# KiCad board rabbit_mask_capacitors.kicad_pcb (continued)
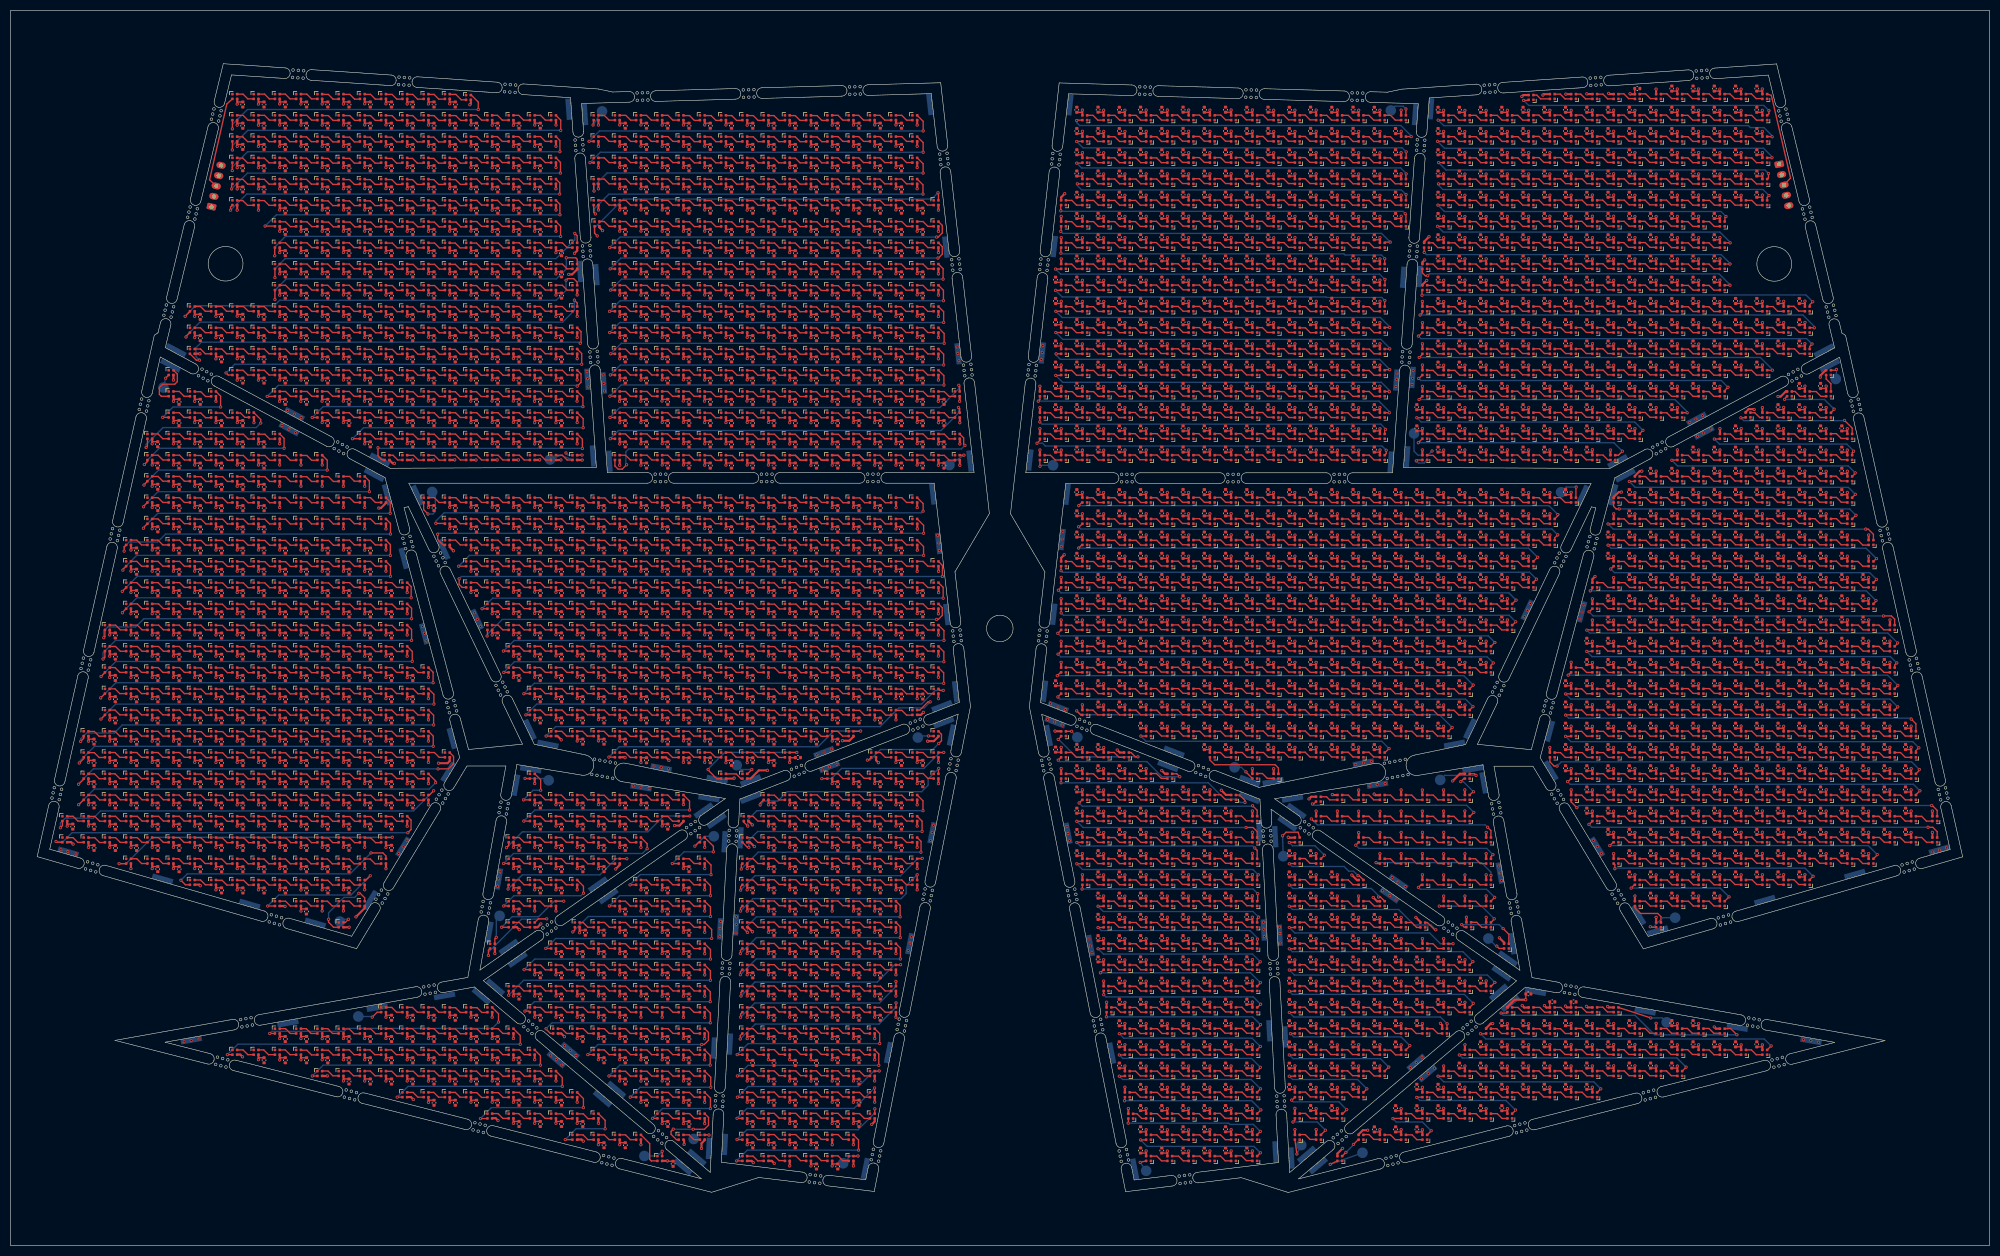
[diagram p0: board, top side]
## Routing (per net, layer and track width the routed paths; a pad name or vN(x,y) marks a point on that pad's centre or on a via; arc(x,y) is an arc through that point) (continued)
Net-(D2478-DIN): length 3.5
  Top w0.25: 225.84,95.92 224.74,95.92 223.84,96.82 222.74,96.82
Net-(D2479-DIN): length 3.5
  Top w0.25: 226.64,96.82 227.74,96.82 228.64,95.92 229.74,95.92
Net-(D2480-DIN): length 3.5
  Top w0.25: 233.69,95.97 232.59,95.97 231.69,96.87 230.59,96.87
Net-(D2481-DIN): length 3.5
  Top w0.25: 237.79,95.97 236.69,95.97 235.79,96.87 234.69,96.87
Net-(D2482-DIN): length 3.5
  Top w0.25: 238.69,96.87 239.79,96.87 240.69,95.97 241.79,95.97
Net-(D2483-DIN): length 3.5
  Top w0.25: 245.69,95.97 244.59,95.97 243.69,96.87 242.59,96.87
Net-(D2484-DIN): length 3.5
  Top w0.25: 246.64,96.87 247.74,96.87 248.64,95.97 249.74,95.97
Net-(D2485-DIN): length 3.5
  Top w0.25: 250.54,96.87 251.64,96.87 252.54,95.97 253.64,95.97
Net-(D2486-DIN): length 3.5
  Top w0.25: 257.69,95.97 256.59,95.97 255.69,96.87 254.59,96.87
Net-(D2487-DIN): length 3.5
  Top w0.25: 261.74,95.92 260.64,95.92 259.74,96.82 258.64,96.82
Net-(D2488-DIN): length 3.5
  Top w0.25: 262.69,96.82 263.79,96.82 264.69,95.92 265.79,95.92
Net-(D2489-DIN): length 3.5
  Top w0.25: 269.69,95.92 268.59,95.92 267.69,96.82 266.59,96.82
Net-(D2491-DIN): length 3.5
  Top w0.25: 297.74,95.9 296.64,95.9 295.74,96.8 294.64,96.8
Net-(D2491-DOUT): length 69.6
  Top w0.25: D2491.3 293.7,95.86 v1(292.7,95.86) ; v1(359.2,93.71) 358.65,93.16 D2538.1
  Bottom w0.25: v1(359.2,93.71) 358.05,94.86 293.7,94.86 v1(292.7,95.86)
Net-(D2492-DIN): length 3.5
  Top w0.25: 298.74,96.8 299.84,96.8 300.74,95.9 301.84,95.9
Net-(D2493-DIN): length 3.5
  Top w0.25: 302.74,96.8 303.84,96.8 304.74,95.9 305.84,95.9
Net-(D2494-DIN): length 3.5
  Top w0.25: 309.74,95.9 308.64,95.9 307.74,96.8 306.64,96.8
Net-(D2495-DIN): length 3.5
  Top w0.25: 313.69,95.95 312.59,95.95 311.69,96.85 310.59,96.85
Net-(D2496-DIN): length 3.5
  Top w0.25: 314.69,96.85 315.79,96.85 316.69,95.95 317.79,95.95
Net-(D2497-DIN): length 3.5
  Top w0.25: 318.69,96.85 319.79,96.85 320.69,95.95 321.79,95.95
Net-(D2498-DIN): length 3.5
  Top w0.25: 322.59,96.85 323.69,96.85 324.59,95.95 325.69,95.95
Net-(D2499-DIN): length 3.5
  Top w0.25: 329.74,95.95 328.64,95.95 327.74,96.85 326.64,96.85
Net-(D2500-DIN): length 3.5
  Top w0.25: 333.64,95.95 332.54,95.95 331.64,96.85 330.54,96.85
Net-(D2501-DIN): length 3.5
  Top w0.25: 334.59,96.85 335.69,96.85 336.59,95.95 337.69,95.95
Net-(D2502-DIN): length 3.5
  Top w0.25: 338.64,96.8 339.74,96.8 340.64,95.9 341.74,95.9
Net-(D2503-DIN): length 3.5
  Top w0.25: 345.79,95.9 344.69,95.9 343.79,96.8 342.69,96.8
Net-(D2504-DIN): length 3.5
  Top w0.25: 346.59,96.8 347.69,96.8 348.59,95.9 349.69,95.9
Net-(D2505-DIN): length 3.5
  Top w0.25: 350.64,96.8 351.74,96.8 352.64,95.9 353.74,95.9
Net-(D2506-DIN): length 3.5
  Top w0.25: 357.74,95.91 356.64,95.91 355.74,96.81 354.64,96.81
Net-(D2508-DIN): length 3.5
  Top w0.25: 201.73,91.92 200.63,91.92 199.73,92.82 198.63,92.82
Net-(D2508-DOUT): length 26.6
  Top w0.25: v1(197.2,91.39) 197.72,91.91 D2508.3 ; D2544.1 219.52,88.81 v1(220.07,88.26)
  Bottom w0.25: v1(197.2,91.39) 197.47,91.11 213.88,91.11 216.72,88.26 v1(220.07,88.26)
Net-(D2509-DIN): length 3.5
  Top w0.25: 202.62,92.83 203.72,92.83 204.62,91.93 205.72,91.93
Net-(D2510-DIN): length 3.3
  Top w0.25: D2511.3 208.66,91.91 207.75,92.82 206.65,92.82
Net-(D2512-DIN): length 3.5
  Top w0.25: 229.74,91.92 228.64,91.92 227.74,92.82 226.64,92.82
Net-(D2512-DOUT): length 15.1
  Top w0.25: D2546.1 238.65,89.9 238.04,90.51 226.65,90.51 225.75,91.41 D2512.3
Net-(D2513-DIN): length 3.5
  Top w0.25: 233.84,91.92 232.74,91.92 231.84,92.82 230.74,92.82
Net-(D2514-DIN): length 3.5
  Top w0.25: 237.84,91.92 236.74,91.92 235.84,92.82 234.74,92.82
Net-(D2515-DIN): length 3.5
  Top w0.25: 241.74,91.92 240.64,91.92 239.74,92.82 238.64,92.82
Net-(D2516-DIN): length 3.5
  Top w0.25: 242.59,92.87 243.69,92.87 244.59,91.97 245.69,91.97
Net-(D2517-DIN): length 3.5
  Top w0.25: 246.69,92.87 247.79,92.87 248.69,91.97 249.79,91.97
Net-(D2518-DIN): length 3.5
  Top w0.25: 253.79,91.97 252.69,91.97 251.79,92.87 250.69,92.87
Net-(D2519-DIN): length 3.5
  Top w0.25: 254.59,92.87 255.69,92.87 256.59,91.97 257.69,91.97
Net-(D2521-DIN): length 3.5
  Top w0.25: 290.65,92.8 291.75,92.8 292.65,91.9 293.75,91.9
Net-(D2521-DOUT): length 72.7
  Top w0.25: D2521.3 289.75,91.06 290.55,90.26 v1(291.1,90.26) ; v1(359.3,89.61) 359.3,89.46 D2564.1
  Bottom w0.25: v1(359.3,89.61) 357.85,91.06 291.9,91.06 v1(291.1,90.26)
Net-(D2522-DIN): length 3.5
  Top w0.25: 294.75,92.8 295.85,92.8 296.75,91.9 297.85,91.9
Net-(D2523-DIN): length 3.5
  Top w0.25: 301.85,91.9 300.75,91.9 299.85,92.8 298.75,92.8
Net-(D2524-DIN): length 3.5
  Top w0.25: 302.65,92.8 303.75,92.8 304.65,91.9 305.75,91.9
Net-(D2525-DIN): length 3.5
  Top w0.25: 309.7,91.95 308.6,91.95 307.7,92.85 306.6,92.85
Net-(D2526-DIN): length 3.5
  Top w0.25: 313.8,91.95 312.7,91.95 311.8,92.85 310.7,92.85
Net-(D2527-DIN): length 3.5
  Top w0.25: 317.8,91.95 316.7,91.95 315.8,92.85 314.7,92.85
Net-(D2528-DIN): length 3.5
  Top w0.25: 321.7,91.95 320.6,91.95 319.7,92.85 318.6,92.85
Net-(D2529-DIN): length 3.5
  Top w0.25: 325.75,91.95 324.65,91.95 323.75,92.85 322.65,92.85
Net-(D2530-DIN): length 3.5
  Top w0.25: 326.55,92.85 327.65,92.85 328.55,91.95 329.65,91.95
Net-(D2531-DIN): length 3.5
  Top w0.25: 330.6,92.85 331.7,92.85 332.6,91.95 333.7,91.95
Net-(D2532-DIN): length 3.5
  Top w0.25: 337.75,91.9 336.65,91.9 335.75,92.8 334.65,92.8
Net-(D2533-DIN): length 3.5
  Top w0.25: 341.8,91.9 340.7,91.9 339.8,92.8 338.7,92.8
Net-(D2534-DIN): length 3.5
  Top w0.25: 342.6,92.8 343.7,92.8 344.6,91.9 345.7,91.9
Net-(D2535-DIN): length 3.5
  Top w0.25: 346.65,92.8 347.75,92.8 348.65,91.9 349.75,91.9
Net-(D2536-DIN): length 3.5
  Top w0.25: 350.64,92.81 351.74,92.81 352.64,91.91 353.74,91.91
Net-(D2537-DIN): length 3.5
  Top w0.25: D2538.3 356.65,91.91 355.75,92.81 D2537.1
Net-(D2539-DIN): length 3.5
  Top w0.25: 201.74,87.91 200.64,87.91 199.74,88.81 198.64,88.81
Net-(D2539-DOUT): length 39.5
  Top w0.25: D2572.1 231.35,84.81 232.35,83.81 v1(232.35,83.41) ; v1(197.72,87.11) 197.75,87.14 D2539.3
  Bottom w0.25: v1(232.35,83.41) 231.47,83.41 230.88,84.01 228.55,84.01 225.45,87.11 v1(197.72,87.11)
Net-(D2540-DIN): length 3.5
  Top w0.25: 202.74,88.81 203.84,88.81 204.74,87.91 205.84,87.91
Net-(D2541-DIN): length 3.5
  Top w0.25: 206.74,88.81 207.84,88.81 208.74,87.91 209.84,87.91
Net-(D2542-DIN): length 3.5
  Top w0.25: 210.64,88.81 211.74,88.81 212.64,87.91 213.74,87.91
Net-(D2543-DIN): length 3.5
  Top w0.25: 217.69,87.96 216.59,87.96 215.69,88.86 214.59,88.86
Net-(D2545-DIN): length 3.5
  Top w0.25: 234.54,88.86 235.64,88.86 236.54,87.96 237.64,87.96
Net-(D2547-DOUT): length 5.2
  Top w0.25: D2580.1 275.25,85.41 v1(275.38,85.41) ; v1(272.97,87.34) 273.55,87.91 D2547.3
  Bottom w0.25: v1(275.38,85.41) 273.45,87.34 v1(272.97,87.34)
Net-(D2548-DIN): length 3.5
  Top w0.25: 294.64,88.82 295.74,88.82 296.64,87.92 297.74,87.92
Net-(D2548-DOUT): length 69.1
  Top w0.25: v1(293.07,87.34) 293.18,87.34 D2548.3 ; v1(359.4,85.61) 358.65,84.86 D2597.1
  Bottom w0.25: v1(293.07,87.34) 293.57,86.84 358.18,86.84 v1(359.4,85.61)
Net-(D2549-DIN): length 3.5
  Top w0.25: 301.84,87.92 300.74,87.92 299.84,88.82 298.74,88.82
Net-(D2550-DIN): length 3.5
  Top w0.25: 305.84,87.92 304.74,87.92 303.84,88.82 302.74,88.82
Net-(D2551-DIN): length 3.5
  Top w0.25: 309.74,87.92 308.64,87.92 307.74,88.82 306.64,88.82
Net-(D2552-DIN): length 3.5
  Top w0.25: 313.69,87.97 312.59,87.97 311.69,88.87 310.59,88.87
Net-(D2553-DIN): length 3.5
  Top w0.25: 314.69,88.87 315.79,88.87 316.69,87.97 317.79,87.97
Net-(D2554-DIN): length 3.5
  Top w0.25: 321.79,87.97 320.69,87.97 319.79,88.87 318.69,88.87
Net-(D2555-DIN): length 3.5
  Top w0.25: 322.59,88.87 323.69,88.87 324.59,87.97 325.69,87.97
Net-(D2556-DIN): length 3.5
  Top w0.25: 326.64,88.87 327.74,88.87 328.64,87.97 329.74,87.97
Net-(D2557-DIN): length 3.5
  Top w0.25: 333.64,87.97 332.54,87.97 331.64,88.87 330.54,88.87
Net-(D2558-DIN): length 3.5
  Top w0.25: 334.59,88.87 335.69,88.87 336.59,87.97 337.69,87.97
Net-(D2559-DIN): length 3.5
  Top w0.25: 338.64,88.82 339.74,88.82 340.64,87.92 341.74,87.92
Net-(D2560-DIN): length 3.5
  Top w0.25: 345.79,87.92 344.69,87.92 343.79,88.82 342.69,88.82
Net-(D2561-DIN): length 3.5
  Top w0.25: 346.59,88.82 347.69,88.82 348.59,87.92 349.69,87.92
Net-(D2562-DIN): length 3.5
  Top w0.25: 353.74,87.92 352.64,87.92 351.74,88.82 350.64,88.82
Net-(D2563-DIN): length 3.5
  Top w0.25: 354.64,88.8 355.74,88.8 356.64,87.9 357.74,87.9
Net-(D2565-DIN): length 3.5
  Top w0.25: 205.74,83.9 204.64,83.9 203.74,84.8 202.64,84.8
Net-(D2565-DOUT): length 36.2
  Top w0.25: D2565.3 201.72,83.91 v1(201.12,83.31) ; v1(233.77,82.79) 233.8,82.79 234.65,81.94 D2606.1
  Bottom w0.25: v1(201.12,83.31) 201.72,82.71 233.7,82.71 v1(233.77,82.79)
Net-(D2566-DIN): length 3.5
  Top w0.25: 206.74,84.8 207.84,84.8 208.74,83.9 209.84,83.9
Net-(D2567-DIN): length 3.5
  Top w0.25: 210.74,84.8 211.84,84.8 212.74,83.9 213.84,83.9
Net-(D2568-DIN): length 3.5
  Top w0.25: 217.74,83.9 216.64,83.9 215.74,84.8 214.64,84.8
Net-(D2569-DIN): length 3.5
  Top w0.25: 218.59,84.85 219.69,84.85 220.59,83.95 221.69,83.95
Net-(D2570-DIN): length 3.5
  Top w0.25: 225.79,83.95 224.69,83.95 223.79,84.85 222.69,84.85
Net-(D2571-DIN): length 3.5
  Top w0.25: 226.69,84.85 227.79,84.85 228.69,83.95 229.79,83.95
Net-(D2573-DIN): length 3.4
  Top w0.25: 249.74,83.9 248.29,83.9 247.71,84.48 246.62,84.48
Net-(D2573-DOUT): length 33
  Top w0.25: v1(245.05,83.14) 245.27,83.14 245.72,83.59 ; v1(275.43,81.54) 274.7,80.81 D2614.1
  Bottom w0.25: v1(245.05,83.14) 245.3,82.89 274.07,82.89 v1(275.43,81.54)
Net-(D2574-DIN): length 3.5
  Top w0.25: 250.69,84.8 251.79,84.8 252.69,83.9 253.79,83.9
Net-(D2575-DIN): length 3.5
  Top w0.25: 254.59,84.8 255.69,84.8 256.59,83.9 257.69,83.9
Net-(D2576-DIN): length 3.5
  Top w0.25: 261.74,83.9 260.64,83.9 259.74,84.8 258.64,84.8
Net-(D2577-DIN): length 3.5
  Top w0.25: 265.73,83.9 264.63,83.9 263.73,84.8 262.63,84.8
Net-(D2578-DIN): length 3.5
  Top w0.25: 269.78,83.9 268.68,83.9 267.78,84.8 266.68,84.8
Net-(D2579-DIN): length 3.5
  Top w0.25: 270.58,84.8 271.68,84.8 272.58,83.9 273.68,83.9
Net-(D2581-DIN): length 3.5
  Top w0.25: 294.64,84.8 295.74,84.8 296.64,83.9 297.74,83.9
Net-(D2581-DOUT): length 71.4
  Top w0.25: D2581.3 293.75,83.51 v1(294.82,82.44) ; v1(361.62,82.84) 361.74,82.84 362.65,81.92 D2631.1
  Bottom w0.25: v1(294.82,82.44) 295.22,82.84 v1(361.62,82.84)
Net-(D2582-DIN): length 3.5
  Top w0.25: 301.84,83.9 300.74,83.9 299.84,84.8 298.74,84.8
Net-(D2583-DIN): length 3.5
  Top w0.25: 302.74,84.8 303.84,84.8 304.74,83.9 305.84,83.9
Net-(D2584-DIN): length 3.5
  Top w0.25: 309.74,83.9 308.64,83.9 307.74,84.8 306.64,84.8
Net-(D2585-DIN): length 3.5
  Top w0.25: 313.69,83.95 312.59,83.95 311.69,84.85 310.59,84.85
Net-(D2586-DIN): length 3.5
  Top w0.25: 314.69,84.85 315.79,84.85 316.69,83.95 317.79,83.95
Net-(D2587-DIN): length 3.5
  Top w0.25: 318.69,84.85 319.79,84.85 320.69,83.95 321.79,83.95
Net-(D2588-DIN): length 3.5
  Top w0.25: 322.59,84.85 323.69,84.85 324.59,83.95 325.69,83.95
Net-(D2589-DIN): length 3.5
  Top w0.25: 329.74,83.95 328.64,83.95 327.74,84.85 326.64,84.85
Net-(D2590-DIN): length 3.5
  Top w0.25: 333.64,83.95 332.54,83.95 331.64,84.85 330.54,84.85
Net-(D2591-DIN): length 3.5
  Top w0.25: 334.59,84.85 335.69,84.85 336.59,83.95 337.69,83.95
Net-(D2592-DIN): length 3.5
  Top w0.25: 338.64,84.8 339.74,84.8 340.64,83.9 341.74,83.9
Net-(D2593-DIN): length 3.5
  Top w0.25: 342.69,84.8 343.79,84.8 344.69,83.9 345.79,83.9
Net-(D2594-DIN): length 3.5
  Top w0.25: 346.59,84.8 347.69,84.8 348.59,83.9 349.69,83.9
Net-(D2595-DIN): length 3.5
  Top w0.25: 350.64,84.8 351.74,84.8 352.64,83.9 353.74,83.9
Net-(D2596-DIN): length 3.5
  Top w0.25: 354.65,84.8 355.75,84.8 356.65,83.9 357.75,83.9
Net-(D2598-DIN): length 3.5
  Top w0.25: 202.64,80.81 203.74,80.81 204.64,79.91 205.74,79.91
Net-(D2598-DOUT): length 36.9
  Top w0.25: D2640.1 234.65,77.93 233.88,78.7 v1(232.55,78.7) ; v1(200.7,79.86) 201.7,79.86 D2598.3
  Bottom w0.25: v1(232.55,78.7) 201.86,78.7 v1(200.7,79.86)
Net-(D2599-DIN): length 3.5
  Top w0.25: 206.74,80.81 207.84,80.81 208.74,79.91 209.84,79.91
Net-(D2600-DIN): length 3.5
  Top w0.25: 213.84,79.91 212.74,79.91 211.84,80.81 210.74,80.81
Net-(D2601-DIN): length 3.5
  Top w0.25: 217.74,79.91 216.64,79.91 215.74,80.81 214.64,80.81
Net-(D2602-DIN): length 3.5
  Top w0.25: 221.69,79.96 220.59,79.96 219.69,80.86 218.59,80.86
Net-(D2603-DIN): length 3.5
  Top w0.25: 222.69,80.86 223.79,80.86 224.69,79.96 225.79,79.96
Net-(D2604-DIN): length 3.5
  Top w0.25: 229.79,79.96 228.69,79.96 227.79,80.86 226.69,80.86
Net-(D2605-DIN): length 3.5
  Top w0.25: 233.69,79.96 232.59,79.96 231.69,80.86 230.59,80.86
Net-(D2607-DIN): length 3.5
  Top w0.25: 246.64,80.81 247.74,80.81 248.64,79.91 249.74,79.91
Net-(D2607-DOUT): length 37.1
  Top w0.25: v1(278.02,78.74) 278.65,78.11 D2648.1 ; D2607.3 245.25,79.91 v1(244.85,80.31)
  Bottom w0.25: v1(244.85,80.31) 245.97,79.19 277.57,79.19 v1(278.02,78.74)
Net-(D2608-DIN): length 3.5
  Top w0.25: 250.69,80.81 251.79,80.81 252.69,79.91 253.79,79.91
Net-(D2609-DIN): length 3.5
  Top w0.25: 257.69,79.91 256.59,79.91 255.69,80.81 254.59,80.81
Net-(D2610-DIN): length 3.5
  Top w0.25: 261.74,79.91 260.64,79.91 259.74,80.81 258.64,80.81
Net-(D2611-DIN): length 3.5
  Top w0.25: 265.74,79.9 264.64,79.9 263.74,80.8 262.64,80.8
Net-(D2612-DIN): length 3.5
  Top w0.25: 269.79,79.9 268.69,79.9 267.79,80.8 266.69,80.8
Net-(D2613-DIN): length 3.5
  Top w0.25: 270.59,80.8 271.69,80.8 272.59,79.9 273.69,79.9
Net-(D2615-DIN): length 3.5
  Top w0.25: 298.64,80.81 299.74,80.81 300.64,79.91 301.74,79.91
Net-(D2615-DOUT): length 68.1
  Top w0.25: D2664.1 362.65,77.91 361.83,78.74 v1(360.93,78.74) ; D2615.3 297.12,79.29 v1(297.1,79.29)
  Bottom w0.25: v1(297.1,79.29) 297.65,78.74 v1(360.93,78.74)
Net-(D2616-DIN): length 3.5
  Top w0.25: 302.74,80.81 303.84,80.81 304.74,79.91 305.84,79.91
Net-(D2617-DIN): length 3.5
  Top w0.25: 306.74,80.81 307.84,80.81 308.74,79.91 309.84,79.91
Net-(D2618-DIN): length 3.5
  Top w0.25: 313.74,79.91 312.64,79.91 311.74,80.81 310.64,80.81
Net-(D2619-DIN): length 3.5
  Top w0.25: 314.59,80.86 315.69,80.86 316.59,79.96 317.69,79.96
Net-(D2620-DIN): length 3.5
  Top w0.25: 321.79,79.96 320.69,79.96 319.79,80.86 318.69,80.86
Net-(D2621-DIN): length 3.5
  Top w0.25: 322.69,80.86 323.79,80.86 324.69,79.96 325.79,79.96
Net-(D2622-DIN): length 3.5
  Top w0.25: 329.69,79.96 328.59,79.96 327.69,80.86 326.59,80.86
Net-(D2623-DIN): length 3.5
  Top w0.25: 333.74,79.96 332.64,79.96 331.74,80.86 330.64,80.86
Net-(D2624-DIN): length 3.5
  Top w0.25: 334.54,80.86 335.64,80.86 336.54,79.96 337.64,79.96
Net-(D2625-DIN): length 3.5
  Top w0.25: 341.69,79.96 340.59,79.96 339.69,80.86 338.59,80.86
Net-(D2626-DIN): length 3.5
  Top w0.25: 345.74,79.91 344.64,79.91 343.74,80.81 342.64,80.81
Net-(D2627-DIN): length 3.5
  Top w0.25: 346.69,80.81 347.79,80.81 348.69,79.91 349.79,79.91
Net-(D2628-DIN): length 3.5
  Top w0.25: 350.59,80.81 351.69,80.81 352.59,79.91 353.69,79.91
Net-(D2629-DIN): length 3.5
  Top w0.25: 354.64,80.81 355.74,80.81 356.64,79.91 357.74,79.91
Net-(D2630-DIN): length 3.5
  Top w0.25: 361.73,79.9 360.63,79.9 359.73,80.8 358.63,80.8
Net-(D2632-DIN): length 3.5
  Top w0.25: 205.74,75.9 204.64,75.9 203.74,76.8 202.64,76.8
Net-(D2632-DOUT): length 37.2
  Top w0.25: D2673.1 234.65,74.39 v1(234.2,74.84) ; D2632.3 200.75,75.91 v1(200.7,75.86)
  Bottom w0.25: v1(234.2,74.84) 233.82,75.21 201.35,75.21 v1(200.7,75.86)
Net-(D2633-DIN): length 3.5
  Top w0.25: 206.74,76.8 207.84,76.8 208.74,75.9 209.84,75.9
Net-(D2634-DIN): length 3.5
  Top w0.25: 213.84,75.9 212.74,75.9 211.84,76.8 210.74,76.8
Net-(D2635-DIN): length 3.5
  Top w0.25: 217.74,75.9 216.64,75.9 215.74,76.8 214.64,76.8
Net-(D2636-DIN): length 3.5
  Top w0.25: 221.69,75.95 220.59,75.95 219.69,76.85 218.59,76.85
Net-(D2637-DIN): length 3.5
  Top w0.25: 222.69,76.85 223.79,76.85 224.69,75.95 225.79,75.95
Net-(D2638-DIN): length 3.5
  Top w0.25: 229.79,75.95 228.69,75.95 227.79,76.85 226.69,76.85
Net-(D2639-DIN): length 3.5
  Top w0.25: 233.69,75.95 232.59,75.95 231.69,76.85 230.59,76.85
Net-(D2641-DOUT): length 9.6
  Top w0.25: v1(240.7,75.86) 240.75,75.91 D2641.3 ; D2675.1 247.3,73.46 v1(247.3,73.49)
  Bottom w0.25: v1(247.3,73.49) 245.52,75.26 241.3,75.26 v1(240.7,75.86)
Net-(D2642-DIN): length 3.5
  Top w0.25: 257.69,75.9 256.59,75.9 255.69,76.8 254.59,76.8
Net-(D2642-DOUT): length 28.3
  Top w0.25: v1(279.02,73.59) 278.65,73.21 D2681.1 ; v1(253.2,75.36) D2642.3
  Bottom w0.25: v1(253.2,75.36) 253.8,74.76 277.85,74.76 v1(279.02,73.59)
Net-(D2643-DIN): length 3.5
  Top w0.25: 261.74,75.9 260.64,75.9 259.74,76.8 258.64,76.8
Net-(D2644-DIN): length 3.5
  Top w0.25: 265.74,75.89 264.64,75.89 263.74,76.79 262.64,76.79
Net-(D2645-DIN): length 3.5
  Top w0.25: 269.79,75.89 268.69,75.89 267.79,76.79 266.69,76.79
Net-(D2646-DIN): length 3.5
  Top w0.25: 273.69,75.89 272.59,75.89 271.69,76.79 270.59,76.79
Net-(D2647-DIN): length 3.5
  Top w0.25: 277.74,75.89 276.64,75.89 275.74,76.79 274.64,76.79
Net-(D2649-DIN): length 3.5
  Top w0.25: 305.74,75.92 304.64,75.92 303.74,76.82 302.64,76.82
Net-(D2649-DOUT): length 53.1
  Top w0.25: v1(351.38,73.59) 351.38,73.54 D2694.1 ; D2649.3 301.65,75.91 v1(301.02,75.29)
  Bottom w0.25: v1(301.02,75.29) 349.68,75.29 v1(351.38,73.59)
Net-(D2650-DIN): length 3.5
  Top w0.25: 309.84,75.92 308.74,75.92 307.84,76.82 306.74,76.82
Net-(D2651-DIN): length 3.5
  Top w0.25: 310.74,76.82 311.84,76.82 312.74,75.92 313.84,75.92
Net-(D2652-DIN): length 3.5
  Top w0.25: 314.64,76.82 315.74,76.82 316.64,75.92 317.74,75.92
Net-(D2653-DIN): length 3.5
  Top w0.25: 321.69,75.97 320.59,75.97 319.69,76.87 318.59,76.87
Net-(D2654-DIN): length 3.5
  Top w0.25: 325.79,75.97 324.69,75.97 323.79,76.87 322.69,76.87
Net-(D2655-DIN): length 3.5
  Top w0.25: 329.79,75.97 328.69,75.97 327.79,76.87 326.69,76.87
Net-(D2656-DIN): length 3.5
  Top w0.25: 333.69,75.97 332.59,75.97 331.69,76.87 330.59,76.87
Net-(D2657-DIN): length 3.5
  Top w0.25: 334.64,76.87 335.74,76.87 336.64,75.97 337.74,75.97
Net-(D2658-DIN): length 3.5
  Top w0.25: 338.54,76.87 339.64,76.87 340.54,75.97 341.64,75.97
Net-(D2659-DIN): length 3.5
  Top w0.25: 345.69,75.97 344.59,75.97 343.69,76.87 342.59,76.87
Net-(D2660-DIN): length 3.5
  Top w0.25: 346.64,76.82 347.74,76.82 348.64,75.92 349.74,75.92
Net-(D2661-DIN): length 3.5
  Top w0.25: 350.69,76.82 351.79,76.82 352.69,75.92 353.79,75.92
Net-(D2662-DIN): length 3.5
  Top w0.25: 357.69,75.92 356.59,75.92 355.69,76.82 354.59,76.82
Net-(D2663-DIN): length 3.5
  Top w0.25: 358.64,76.82 359.74,76.82 360.64,75.92 361.74,75.92
Net-(D2665-DIN): length 3.5
  Top w0.25: 205.74,71.9 204.64,71.9 203.74,72.8 202.64,72.8
Net-(D2665-DOUT): length 37.1
  Top w0.25: D2665.3 201.7,71.86 v1(200.7,71.86) ; D2703.1 234.65,69.59 v1(234.85,69.79)
  Bottom w0.25: v1(200.7,71.86) 201.77,70.79 233.85,70.79 v1(234.85,69.79)
Net-(D2666-DIN): length 3.5
  Top w0.25: 206.74,72.8 207.84,72.8 208.74,71.9 209.84,71.9
Net-(D2667-DIN): length 3.5
  Top w0.25: 210.74,72.8 211.84,72.8 212.74,71.9 213.84,71.9
Net-(D2668-DIN): length 3.5
  Top w0.25: 214.64,72.8 215.74,72.8 216.64,71.9 217.74,71.9
Net-(D2669-DIN): length 3.5
  Top w0.25: 221.69,71.95 220.59,71.95 219.69,72.85 218.59,72.85
Net-(D2670-DIN): length 3.5
  Top w0.25: 222.69,72.85 223.79,72.85 224.69,71.95 225.79,71.95
Net-(D2671-DIN): length 3.5
  Top w0.25: 229.79,71.95 228.69,71.95 227.79,72.85 226.69,72.85
Net-(D2672-DIN): length 3.5
  Top w0.25: 230.59,72.85 231.69,72.85 232.59,71.95 233.69,71.95
Net-(D2674-DIN): length 3.5
  Top w0.25: 245.69,71.95 244.59,71.95 243.69,72.85 242.59,72.85
Net-(D2674-DOUT): length 16.3
  Top w0.25: v1(253.62,69.64) 253.82,69.64 D2707.1 ; v1(240.7,71.86) 240.75,71.91 D2674.3
  Bottom w0.25: v1(253.62,69.64) 252.8,70.46 251.9,70.46 251,71.36 241.2,71.36 v1(240.7,71.86)
Net-(D2676-DIN): length 3.5
  Top w0.25: 261.74,71.9 260.64,71.9 259.74,72.8 258.64,72.8
Net-(D2676-DOUT): length 24.6
  Top w0.25: v1(278.65,69.66) D2711.1 ; v1(257.02,72.09) 257.2,71.91 D2676.3
  Bottom w0.25: v1(278.65,69.66) 278.65,70.29 276.85,72.09 v1(257.02,72.09)
Net-(D2677-DIN): length 3.5
  Top w0.25: 265.74,71.91 264.64,71.91 263.74,72.81 262.64,72.81
Net-(D2678-DIN): length 3.5
  Top w0.25: 266.69,72.81 267.79,72.81 268.69,71.91 269.79,71.91
Net-(D2679-DIN): length 3.5
  Top w0.25: 270.59,72.81 271.69,72.81 272.59,71.91 273.69,71.91
Net-(D2680-DIN): length 3.5
  Top w0.25: 274.64,72.81 275.74,72.81 276.64,71.91 277.74,71.91
Net-(D2682-DIN): length 3.5
  Top w0.25: 305.74,71.91 304.64,71.91 303.74,72.81 302.64,72.81
Net-(D2682-DOUT): length 40
  Top w0.25: D2682.3 301.97,71.69 v1(301.97,70.94) ; D2720.1 338.65,68.86 v1(339.3,69.51)
  Bottom w0.25: v1(301.97,70.94) 302.07,71.04 337.77,71.04 v1(339.3,69.51)
Net-(D2683-DIN): length 3.5
  Top w0.25: 309.84,71.91 308.74,71.91 307.84,72.81 306.74,72.81
Net-(D2684-DIN): length 3.5
  Top w0.25: 313.84,71.91 312.74,71.91 311.84,72.81 310.74,72.81
Net-(D2685-DIN): length 3.5
  Top w0.25: 314.64,72.81 315.74,72.81 316.64,71.91 317.74,71.91
Net-(D2686-DIN): length 3.5
  Top w0.25: 321.69,71.96 320.59,71.96 319.69,72.86 318.59,72.86
Net-(D2687-DIN): length 3.5
  Top w0.25: 325.79,71.96 324.69,71.96 323.79,72.86 322.69,72.86
Net-(D2688-DIN): length 3.5
  Top w0.25: 326.69,72.86 327.79,72.86 328.69,71.96 329.79,71.96
Net-(D2689-DIN): length 3.5
  Top w0.25: 333.69,71.96 332.59,71.96 331.69,72.86 330.59,72.86
Net-(D2690-DIN): length 3.5
  Top w0.25: 337.74,71.96 336.64,71.96 335.74,72.86 334.64,72.86
Net-(D2691-DIN): length 3.5
  Top w0.25: 338.54,72.86 339.64,72.86 340.54,71.96 341.64,71.96
Net-(D2692-DIN): length 3.5
  Top w0.25: 342.59,72.86 343.69,72.86 344.59,71.96 345.69,71.96
Net-(D2693-DIN): length 3.5
  Top w0.25: 349.74,71.91 348.64,71.91 347.74,72.81 346.64,72.81
Net-(D2695-DIN): length 3.5
  Top w0.25: 202.64,68.82 203.74,68.82 204.64,67.92 205.74,67.92
Net-(D2695-DOUT): length 35.7
  Top w0.25: D2695.3 201.75,67.16 v1(201.7,67.11) ; v1(234.75,66.24) 234.75,64.91 D2728.1
  Bottom w0.25: v1(234.75,66.24) 233.88,67.11 v1(201.7,67.11)
Net-(D2696-DIN): length 3.5
  Top w0.25: 206.74,68.82 207.84,68.82 208.74,67.92 209.84,67.92
Net-(D2697-DIN): length 3.5
  Top w0.25: 213.84,67.92 212.74,67.92 211.84,68.82 210.74,68.82
Net-(D2698-DIN): length 3.5
  Top w0.25: 214.64,68.82 215.74,68.82 216.64,67.92 217.74,67.92
Net-(D2699-DIN): length 3.5
  Top w0.25: 218.59,68.87 219.69,68.87 220.59,67.97 221.69,67.97
Net-(D2700-DIN): length 3.5
  Top w0.25: 222.69,68.87 223.79,68.87 224.69,67.97 225.79,67.97
Net-(D2701-DIN): length 3.5
  Top w0.25: 229.79,67.97 228.69,67.97 227.79,68.87 226.69,68.87
Net-(D2702-DIN): length 3.5
  Top w0.25: 233.69,67.97 232.59,67.97 231.69,68.87 230.59,68.87
Net-(D2704-DIN): length 3.5
  Top w0.25: 242.59,68.87 243.69,68.87 244.59,67.97 245.69,67.97
Net-(D2704-DOUT): length 20.4
  Top w0.25: v1(240.7,67.86) 241.7,67.86 D2704.3 ; D2733.1 257.85,65.61 v1(257.5,65.61)
  Bottom w0.25: v1(257.5,65.61) 257.5,65.86 256.15,67.21 241.35,67.21 v1(240.7,67.86)
Net-(D2705-DIN): length 3.5
  Top w0.25: 246.64,68.82 247.74,68.82 248.64,67.92 249.74,67.92
Net-(D2706-DIN): length 3.5
  Top w0.25: 253.79,67.92 252.69,67.92 251.79,68.82 250.69,68.82
Net-(D2708-DIN): length 3.5
  Top w0.25: 269.75,67.9 268.65,67.9 267.75,68.8 266.65,68.8
Net-(D2708-DOUT): length 17.1
  Top w0.25: D2708.3 265.5,67.91 v1(265,67.41) ; D2736.1 278.65,64.84 v1(279.35,65.54)
  Bottom w0.25: v1(279.35,65.54) 277.82,67.06 265.35,67.06 v1(265,67.41)
Net-(D2709-DIN): length 3.5
  Top w0.25: 270.7,68.8 271.8,68.8 272.7,67.9 273.8,67.9
Net-(D2710-DIN): length 3.5
  Top w0.25: 277.7,67.9 276.6,67.9 275.7,68.8 274.6,68.8
Net-(D2712-DIN): length 3.5
  Top w0.25: 309.74,67.91 308.64,67.91 307.74,68.81 306.64,68.81
Net-(D2712-DOUT): length 21.2
  Top w0.25: D2712.3 305.68,67.91 v1(305.05,67.29) ; v1(323.47,65.64) D2741.1
  Bottom w0.25: v1(323.47,65.64) 321.82,67.29 v1(305.05,67.29)
Net-(D2713-DIN): length 3.5
  Top w0.25: 310.74,68.81 311.84,68.81 312.74,67.91 313.84,67.91
Net-(D2714-DIN): length 3.5
  Top w0.25: 314.74,68.81 315.84,68.81 316.74,67.91 317.84,67.91
Net-(D2715-DIN): length 3.5
  Top w0.25: 318.64,68.81 319.74,68.81 320.64,67.91 321.74,67.91
Net-(D2716-DIN): length 3.5
  Top w0.25: 325.69,67.96 324.59,67.96 323.69,68.86 322.59,68.86
Net-(D2717-DIN): length 3.5
  Top w0.25: 329.79,67.96 328.69,67.96 327.79,68.86 326.69,68.86
Net-(D2718-DIN): length 3.5
  Top w0.25: 333.79,67.96 332.69,67.96 331.79,68.86 330.69,68.86
Net-(D2719-DIN): length 3.5
  Top w0.25: 337.69,67.96 336.59,67.96 335.69,68.86 334.59,68.86
Net-(D2721-DIN): length 3.5
  Top w0.25: 206.64,64.81 207.74,64.81 208.64,63.91 209.74,63.91
Net-(D2721-DOUT): length 33.3
  Top w0.25: D2749.1 234.65,61.54 v1(234.93,61.81) ; D2721.3 205.7,63.86 v1(204.7,63.86)